# KiCad board motorgo_core_panel.kicad_pcb (continued)
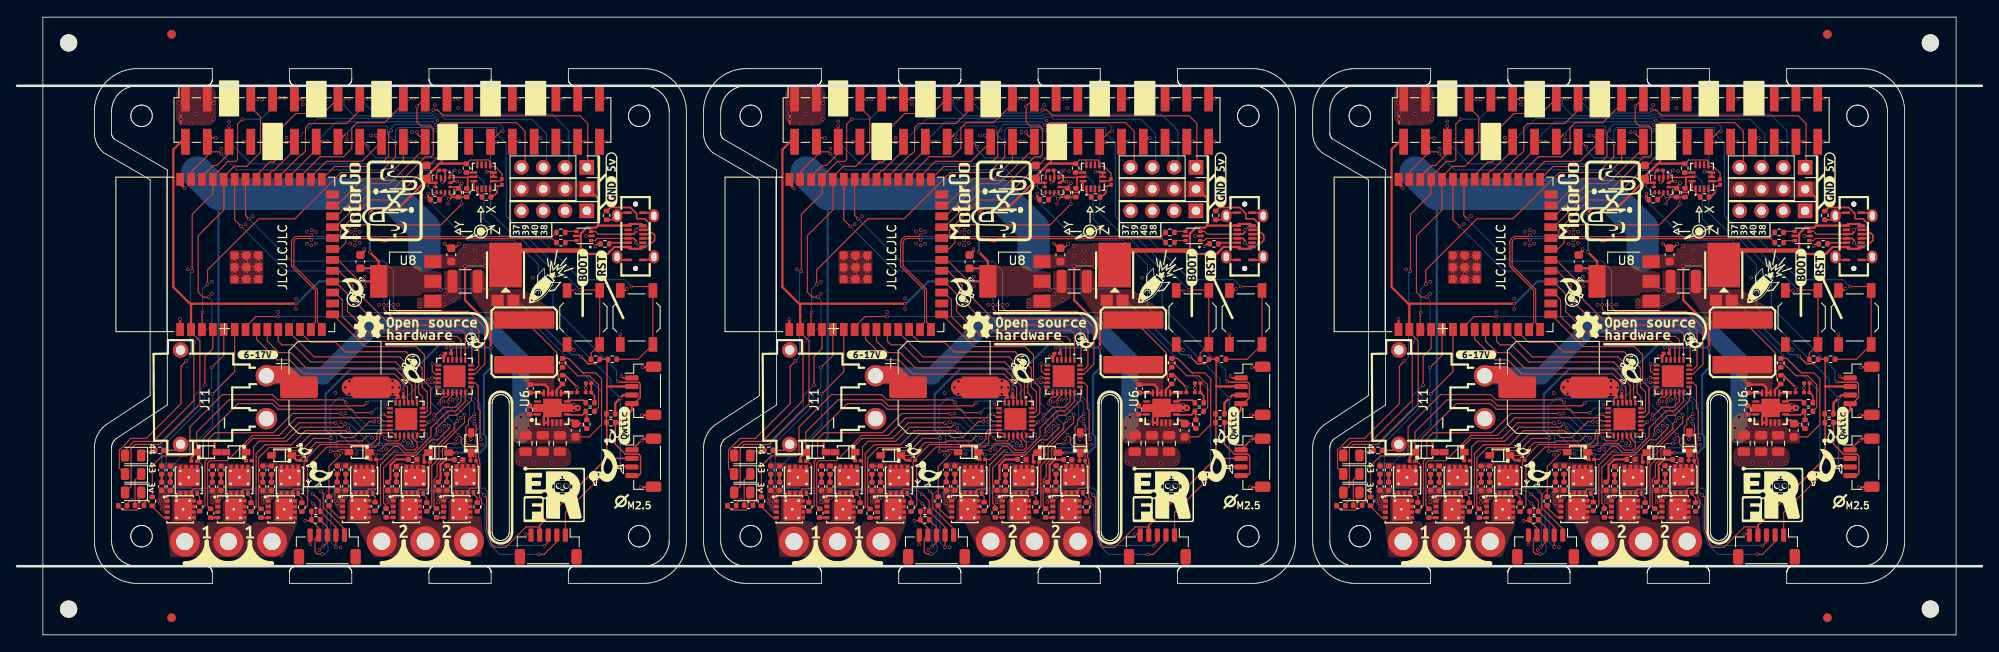
[diagram p0: board, top side]
## Routing (per net, layer and track width the routed paths; a pad name or vN(x,y) marks a point on that pad's centre or on a via; arc(x,y) is an arc through that point) (continued)
  Top w0.16: J15#2.3 142.56,19.66 v1(141.43,19.66)
  Top w0.25: R30#2.2 140.71,27.01 v1(141.3,27.6) 141.65,27.95 J13#2.3
  Bottom w0.12: v1(94.8,56.11) 94.8,56 96.6,54.2 115.3,54.2 123.5,46 128.9,46 131.75,43.15 131.75,38.25 140.2,29.8 140.2,28.7 v1(141.3,27.6) ; J7#2.3 93.63,57.93 v1(94.16,57.93)
  Bottom w0.16: v1(141.43,19.66) 141.3,19.79 v1(141.3,27.6)
Board_1-usb_d+: length 43
  Top w0.12: 106.51,35.89 106,36.41 106,40.27 103.25,43.02 103.25,45.69 arc(103.38,46.03) 103.7,46.2 105.15,46.2 arc(105.26,46.16) v1(105.3,46.05) ; v1(110.41,46) 110.59,46.18 113.28,46.18 arc(113.41,46.13) 113.46,46 arc(113.52,45.87) 113.64,45.82 114.02,45.82 arc(114.15,45.87) 114.2,46 arc(114.26,46.13) 114.38,46.18 133.41,46.18 R6#3.1
  Bottom w0.12: v1(105.3,46.05) 105.45,46.2 110.21,46.2 v1(110.41,46)
Board_1-usb_d-: length 43
  Top w0.12: v1(105.3,46.6) 105.14,46.44 103.73,46.44 arc(103.23,46.25) 102.98,45.77 102.98,42.96 105.75,40.18 105.75,36.41 105.24,35.89 ; v1(110.4,46.6) 110.58,46.42 133.37,46.42 R7#2.1
  Bottom w0.12: v1(105.3,46.6) 105.46,46.44 110.24,46.44 v1(110.4,46.6)
Board_2-+3.3V: length 223
  Top w0.12: D3#3.2 155.28,17.31 155.28,21.73 155.75,22.2 158.6,22.2 163.3,26.9 163.3,34.27 162.27,35.3 U1#3.2 ; v1(182.9,56.9) 182.31,57.49 ; v1(196.4,16.3) 196.7,16 196.7,12.3 197.3,10.5 197.6,10.2 198.93,10.2 201.31,12.58 202.9,12.58 J18#3.4 ; v1(177.54,9.42) 176.98,9.42 176.72,9.68 176.72,11.19 J16#2.4 177.15,12.45 176.29,13.31 R33#3.1 ; 192.7,51.04 192.39,51.35 U10.10 ; R50#2.2 194.81,55.35 196.95,55.35 197.13,55.17 U11#3.8 197.31,54.6 197.7,54.6 198.5,53.8 198.5,53.11 198.27,52.89 U11#3.5 ; R32#3.1 R33#3.1 ; R33#3.1 176.2,13.31 v1(175.59,13.31) ; U10.6 U10.5
  Top w0.16: v1(192.31,50.81) 192.47,50.81 192.7,51.04 193.39,51.04 ; 210.7,20.57 210.73,20.6 210.73,24.71 R31#3.1 210.69,24.75 R30#3.1 210.75,25.82 210.75,32.01 R9.1 R8#3.1 209.39,31.6 208.54,31.6 v1(207.71,32.44) ; 210.7,20.57 J15.2 ; 210.7,20.57 202.9,12.77 J18#3.4 ; 213.64,28.94 J13.2 211.91,28.95 211.9,28.94 ; R38.1 R39#2.1
  Top w0.25: 162.4,38.6 162.27,38.47 U1#3.2 ; 162.4,38.6 162.14,38.6 160.2,40.54 160.2,56.57 161.12,57.49 J4.2 ; 162.4,38.6 v1(174.5,38.6) ; J13.2 210.75,28.95 ; v1(189.8,52.5) 189.8,53.51 191.24,54.94 191.5,54.94 ; v1(183.1,44.6) 184.15,43.55 U8.2 v1(182.5,41.2) ; 191.5,54.94 v1(191.5,55.58) ; 191.5,54.94 194.34,54.94 R50#2.2 ; C25.1 184.07,42.73 184.1,42.7 ; v1(183.1,49.1) 183.1,49.22 183.58,49.7 186.43,49.7 189.43,52.7 U10.5
  Bottom w0.12: v1(182.9,56.9) 182.9,56.52 183.82,55.6 191.48,55.6 v1(191.5,55.58) ; v1(189.8,52.5) 189.8,52.34 190.6,51.54 191.59,51.54 v1(192.31,50.81) ; v1(196.4,16.3) 195.89,16.81 179.18,16.81 178.11,15.74 178.11,10.5 178.23,10.38 178.23,9.79 177.86,9.42 v1(177.54,9.42) ; v1(175.59,13.31) 175.51,13.31
  Bottom w0.16: v1(207.71,32.44) 207.49,32.66 206.63,32.66 198.96,40.33 191.56,40.33 v1(191.39,40.16)
  Bottom w0.25: v1(174.5,38.6) 174.6,38.6 177.2,41.2 v1(182.5,41.2) ; v1(183.1,44.6) v1(183.1,49.1)
Board_2-+5V: length 177.7
  Top w0.12: J4.3 164.68,62 v1(164.9,62) ; v1(178.57,22.91) 178.56,22.9 176.54,22.9 175.12,21.47 172.2,21.47 D7.2 ; C33#2.1 192.72,32.62 U4.4 ; J4.1 161.09,62 v1(160.9,62) ; v1(178.54,21.39) 178.56,21.41 179.37,21.41 179.56,21.6 180.38,21.6 D8#3.2 ; U3#2.4 187.1,27.67 C3#2.1 ; v1(194.86,22.81) 194.91,22.86 194.91,23.57
  Top w0.25: 207.7,46.5 207.7,46.77 208.4,47.47 209.47,47.47 209.71,47.71 ; 207.7,46.5 207.7,44.9 207.6,44.8 208,44.4 210.82,44.4 211,44.58 211,44.59 211.62,45.21 J1.A4 213.42,45 214.73,45 J1.B9 ; 207.7,46.5 U2#3.5 ; 161.06,59.57 v1(161.06,60.77) ; 209.71,47.71 J1.A9 213.4,47.9 214.75,47.9 J1.B4 ; 209.71,47.71 209.71,50.89 209.06,51.54 ; v1(192.6,33.5) 192.6,32.85 C33#2.1 ; C3#2.1 v1(187.02,28.39) ; v1(194.2,43) 194.2,39 197.2,36 v1(197.2,33.5) ; D6#3.2 D5.2 165.01,21.56 v1(165.01,22.54) ; v1(193.19,21.22) 192.3,21.22
  Top w0.5: 199.79,43.7 200.89,44.8 207.6,44.8
  Bottom w0.12: v1(178.57,22.91) 178.5,22.84 178.5,21.43 v1(178.54,21.39) ; 164.4,62.5 v1(164.9,62) ; v1(194.86,22.81) 194.86,23.06 195.25,23.45 196.29,23.45 196.66,23.08 ; 161.61,62.52 161.09,62 v1(160.9,62)
  Bottom w0.25: 186.3,31 180.9,31 177.95,28.05 177.95,23.94 178.57,23.32 v1(178.57,22.91) ; 186.3,31 187.02,31 v1(187.02,28.39) ; 186.3,31 188.4,31 191.38,33.98 192.25,33.98 192.52,33.7 192.52,33.42 ; 192.54,33.56 v1(192.6,33.5) v1(197.2,33.5) 197.2,31.1 196.4,30.3 196.4,23.34 196.66,23.08 196.66,21.98 195.91,21.22 v1(193.19,21.22) ; 165.5,51.4 165.47,51.37 165.47,23 v1(165.01,22.54) ; 196.66,43 v1(194.2,43)
  Bottom w3.75: 189.47,44.21 189.47,47.33 185.4,51.4 165.5,51.4 163,53.9
  vias: v1(161.1,60.1) v1(162.3,59.6) v1(162.9,63.2) v1(162.9,60.7) v1(163.6,59.6) v1(164.9,60.1) v1(194.15,45.35) v1(194.15,44.2) v1(195.35,44.8) v1(195.35,43.55) v1(196.6,45.4) v1(196.55,44.2) v1(196.55,43.05)
Board_2-+BATT: length 62.5
  Top w0.12: 207.09,23.08 208.68,23.08 210.12,24.52 210.12,29.84 209.42,30.54 207.96,30.54 206.28,32.22 R16#3.1 ; C27#2.2 C14.2
  Top w2: J11.1 171.2,30.35 173.35,30.35 C16.1
  Bottom w2: J11.1 177.7,30.2 183.59,36.09 196.6,36.09 200.7,32 v1(200.7,25.4) 200.7,23.3
  vias: v1(200.2,24.1) v1(200.2,22.7) v1(201.6,24.1)
Board_2-/connectors.enc1.cs: length 45.3
  Top w0.12: U1#3.6 167.35,30.67 v1(164.78,28.1) ; v1(177.42,16.71) 177.73,16.4 177.73,14.78 180.15,12.36 J16#2.1
  Bottom w0.12: v1(177.42,16.71) 177.03,17.1 160.2,17.1 159.94,17.36 159.94,19.56 164.78,24.4 v1(164.78,28.1)
Board_2-/connectors.enc2.cs: length 64.8
  Top w0.12: v1(172.4,37.1) 169.83,37.1 168.62,35.89 U1#3.7 ; J18#3.1 205.9,14.27 v1(210.11,18.48)
  Bottom w0.12: v1(172.4,37.1) 182.2,37.1 182.67,37.57 200.86,37.57 207.26,31.17 207.27,31.17 210.11,28.33 v1(210.11,18.48)
Board_2-/connectors.enc_scl: length 85.1
  Top w0.12: v1(179.15,10.22) J16#2.2 179.15,12.56 R32#3.2 177.31,15.62 176.55,16.38 v1(176.44,16.38) ; J18#3.2 204.9,10.85 203.43,9.38 v1(202.82,9.38) ; v1(164.67,31.16) 166.08,32.57 U1#3.5
  Bottom w0.12: v1(179.15,10.22) 178.56,10.81 178.56,15.85 179.28,16.57 195.03,16.57 196.5,15.1 196.5,12.3 197.1,10.5 198.22,9.38 v1(202.82,9.38) ; v1(164.67,31.16) 164.67,28.83 163.77,27.93 163.77,26.75 159.36,22.34 159.36,17.13 159.69,16.8 176.02,16.8 v1(176.44,16.38)
Board_2-/connectors.enc_sda: length 84.9
  Top w0.12: v1(176.5,15.3) 176.8,15 176.8,13.91 R33#3.2 178.15,12.56 J16#2.3 ; J16#2.3 178.15,11.63 ; J16#2.3 178.15,10.79 v1(177.64,10.28) ; U1#3.4 164.81,33.37 163.88,32.44 v1(163.88,29.11) ; J18#3.3 203.9,10.85 v1(203.46,10.41)
  Bottom w0.12: v1(203.46,10.41) 197.59,10.41 197.4,10.6 196.8,12.3 196.8,16.12 196.81,16.13 196.81,16.47 196.8,16.48 196.8,16.77 196.47,17.1 178.49,17.1 177.64,16.25 v1(177.64,10.28) ; v1(163.88,29.11) 162.63,27.86 162.63,26.41 158.84,22.62 158.84,16.86 159.2,16.5 175.3,16.5 v1(176.5,15.3)
Board_2-/i2c_1.scl: length 23.6
  Top w0.12: 179.25,46.25 179.69,46.69 179.69,47.21 183.18,50.7 185.9,50.7 v1(189.03,53.83) ; U10.1 192.39,53.53 v1(193,54.14)
  Top w0.16: U11#3.13 194.65,53.39 194.5,53.24 194.5,52.15 194.5,53.32 U10.1
  Bottom w0.12: v1(189.03,53.83) 189.34,54.14 v1(193,54.14)
Board_2-/i2c_1.sda: length 24.8
  Top w0.12: U1#3.21 179.58,44.98 180.3,45.7 180.3,46.96 181.14,47.8 191.4,47.8 v1(193.8,50.2) ; v1(193.82,52.66) 193.4,52.24
  Top w0.16: U10.11 193.25,52.2 ; U11#3.14 195.24,52.09 194.73,51.58 193.87,51.58 R38.2
  Bottom w0.12: v1(193.8,50.2) 193.8,50.66 193.82,50.68 v1(193.82,52.66)
Board_2-boot: length 62.9
  Top w0.12: R8#3.2 208.89,32.84 J2.2 J2.2 ; U1#3.27 179.02,54.6 182.6,54.6 183.2,55.2 184.71,55.2 185.3,55.79 185.3,58.5 v1(185.6,58.8) ; v1(207.6,40.2) 209.85,40.2 ; J4.30 198.39,58.7 v1(198.6,58.7)
  Top w0.18: v1(197.9,57.4) 197.26,57.4
  Bottom w0.12: v1(185.6,58.8) 185.6,59.05 186.05,59.5 190.13,59.5 190.63,59 191.01,59 191.61,59.6 198.2,59.6 198.6,59.2 v1(198.6,58.7) ; J7#3.29 197.18,49.22 199.3,47.1 200.7,47.1 v1(207.6,40.2)
  Bottom w0.18: v1(197.9,57.4) 197.25,57.4
Board_2-GND: length 103.9
  Top w0.12: J4.13 177.57,62.53 v1(177.6,62.5) ; C32#2.2 190.05,54.72 191.33,55.99 191.58,55.99 192.09,56.51 J4.26 ; v1(167.5,62.5) 167.47,62.53 J4.5 ; v1(210.6,57.5) 210.59,57.49 J4.40 ; v1(198,62.4) 197.3,62.4 ; v1(207,40.1) 206.95,40.15 J2.1 ; v1(208.31,46.5) 208.31,46.5 U2#3.2 ; J16#2.5 v1(176.15,10.55) ; J4.33 202.97,62.53 v1(203,62.5) ; v1(155.3,15.75) 154.81,15.26 R3#2.2 ; v1(185.2,62.5) 185.17,62.53 J4.19 ; v1(157.1,15.65) 156.76,15.31 R2#3.2 ; C3#2.2 186.1,27.47 U3#2.6 ; J18#3.5 201.79,11.73 v1(201.29,11.73) ; C33#2.2 191.72,32.62 U4.6 ; v1(172,59.2) 172,57.71 ; 206.25,33.85 v1(206.9,33.2)
  Top w0.16: v1(213.07,40.35) 212.88,40.15 J3#3.2 ; J15.1 214.75,22.67 v1(214.79,22.67) ; v1(193.2,56.15) 192.09,56.15 ; J1.3 211.46,48.39 R5#2.1 ; R1#2.2 160.35,21.5 J11.3 ; v1(193.5,45.55) 193.15,45.2 192.82,45.2 ; v1(191.82,45.61) 192.23,45.2 192.38,45.2 ; R4.1 209.68,45.58 v1(209.4,45.3) ; J3#3.2 v1(212.3,35.02) ; J13.1 212.65,29.95 v1(212.43,30.17)
  Top w0.18: U10.12 192.65,52.84 v1(193.3,52.84) ; R49.2 197.4,51.04 197.9,51.54 v1(197.9,52.04) 197.9,52.24 198,52.34 198.63,52.34 ; J1.B12 215.88,43.71 ; C18#3.2 v1(207.28,28.85) 205.87,30.26 R17#2.2 ; J1.B1 215.88,49.21 ; 191.41,53.31 191.41,52.93 v1(191.55,52.79) 191.75,52.79 191.89,52.93 U10.2 191.89,54.05 ; J1.A1 212.28,43.71 ; C1#2.2 v1(208.28,28.8) 208.26,28.78 208.26,28.25 ; U11#3.6 U11#3.7 197.43,53.98 v1(196.7,53.98) ; J1.A12 212.28,49.21
  Top w0.25: v1(214.79,22.67) 214.99,22.87 216.18,22.87 ; 203.6,25.67 U6#3.15 ; U6#3.15 203.88,25.95 203.88,24.72 203.38,24.72 203.38,25.45 203.59,25.65 ; U6#3.15 201.96,26.45 R18#3.2 ; C25.2 182.46,44.74 v1(182.46,44.95) ; C33#2.2 191.84,32.73 191.84,32.49 191.82,32.47 v1(191.36,32.47) ; 205.19,25.65 205.19,25.81 205.53,26.15 v1(206.88,26.15) ; v1(214.8,25.6) 216.12,25.6 216.18,25.65 ; v1(185.75,28.85) 186.38,28.22 C3#2.2 186.08,28.05 v1(185.76,28.05) ; v1(189.9,51.44) 189.9,51.03 R46#3.2 ; U1#3.41 U1#3.41 U1#3.41 U1#3.41 ; U1#3.41 U1#3.41 U1#3.41 ; U1#3.41 U1#3.41 U1#3.41 ; v1(214.9,31.2) 216.12,31.2 216.18,31.25 ; v1(206.3,25) 206.71,25 C17.2 207.61,24.62 v1(207.78,24.45) 207.97,24.45 R25#2.2 ; U1#3.1 v1(161,36.8) ; v1(214.7,17.2) 216.11,17.2 216.18,17.27 ; U1#3.41 U1#3.41 ; 205.19,27.25 205.19,27.09 205.47,26.81 206.85,26.81 v1(206.88,26.85) ; 161,52.6 v1(161.5,52.1)
  Top w0.75: v1(207.35,26.45) U6#3.15
  Top w2: 180.84,28.85 C16.2 v1(185.75,28.85)
  Bottom w0.12: v1(167.5,62.5) J7#3.6 ; 176.85,62.52 177.58,62.52 v1(177.6,62.5) ; 184.47,62.52 185.18,62.52 v1(185.2,62.5) ; 202.25,62.52 202.98,62.52 v1(203,62.5) ; 209.87,57.48 210.58,57.48 v1(210.6,57.5) ; v1(198,62.4) 197.9,62.5 J7#3.30 ; v1(172,59.2) 172,57.71
  Bottom w0.25: J7#3.25 192.1,57.25 v1(193.2,56.15)
  vias: v1(158.43,15.66) v1(158.85,15.31) v1(158.94,15.87) v1(158.9,14.7) v1(161.89,42.6) v1(164.68,41.14) v1(164.69,39.75) v1(164.7,16) v1(164.7,15.45) v1(165.29,16.04) v1(165.79,56.66) v1(165.85,16) v1(166.7,59.85) v1(167.3,43.5) v1(167.3,42.1) v1(168,44.2) v1(168,42.8) v1(168,41.4) v1(168.6,47.86) v1(168.7,43.5) v1(168.72,42.1) v1(169.4,44.2) v1(169.4,42.8) v1(169.4,41.4) v1(169.46,48.81) v1(170.1,43.5) v1(170.1,42.1) v1(170.55,62.4) v1(170.6,15.95) v1(170.6,15.4) v1(171.16,16.06) v1(171.75,16) v1(172.4,37.65) v1(173.15,62.6) v1(173.4,57.95) v1(174.5,39.2) v1(174.5,38) v1(175.3,61.85) v1(175.77,46.98) v1(175.78,45.61) v1(176.31,47.19) v1(176.3,45.39) v1(176.82,46.98) v1(176.8,45.61) v1(177.24,9.9) v1(178.15,57.5) v1(179.1,28.2) v1(179.15,21) v1(179.2,15.88) v1(179.3,15.33) v1(179.73,24.79) v1(179.72,16.08) v1(179.7,10.2) v1(180.25,25.83) v1(180.25,28.85) v1(180.35,16.05) v1(180.41,57.74) v1(180.6,24.1) v1(180.65,62.5) v1(180.72,29.57) v1(180.71,28.08) v1(180.84,45.6) v1(180.89,46.97) v1(181.41,47.2) v1(181.37,45.4) v1(181.54,21.1) v1(181.93,46.97) v1(181.92,45.69) v1(182.55,49.1) v1(182.5,41.75) v1(182.5,40.65) v1(183.25,58.2) v1(183.25,62.5) v1(183.34,22.97) v1(183.65,49.1) v1(184.2,38.47) v1(184.18,24.81) v1(184.91,26.85) v1(185,21.65) v1(185.12,16.05) v1(185.15,15.48) v1(185.3,38.47) v1(185.45,23.08) v1(185.7,16.08) v1(185.76,29.6) v1(186.28,16.15) v1(186.4,38.47) v1(186.54,28.83) v1(187.55,22.33) v1(188.05,58.6) v1(188.25,62.5) v1(188.45,57.5) v1(188.9,38.9) v1(188.9,38.3) v1(189.29,22.91) v1(189.88,29.75) v1(190.52,25.09) v1(190.53,22.25) v1(190.7,61.75) v1(190.84,27.97) v1(190.98,59.96) v1(191.07,15.97) v1(191.07,15.42) v1(191.25,23.75) v1(191.61,16.09) v1(191.7,27.21) v1(191.8,38.5) v1(191.8,24.38) v1(191.9,39.7) v1(192.05,33.5) v1(192.22,50.27) v1(192.22,16.1) v1(192.75,27.39) v1(192.87,39.04) v1(193.17,22.82) v1(193.35,62.5) v1(193.4,61.4) v1(193.6,54.04) v1(193.7,39.9) v1(193.69,25.29) v1(195.3,25.16) v1(196.19,22.17) v1(200.37,20.06) v1(202.12,41.64) v1(202.28,20.06) v1(204.31,20.06) v1(206.21,20.06) v1(211.88,19.66)
Board_2-gpio21: length 24.9
  Top w0.12: U1#3.23 179.09,47.52 183.23,51.66 185.51,51.66 189.58,55.72 190.24,55.72 190.5,55.98 190.5,58.95 190.15,59.3 189.1,59.3 188.6,59.8 v1(188.6,61.6) 189.53,62.53
  Bottom w0.12: v1(188.6,61.6) 189.5,62.5
Board_2-gpio35: length 11.9
  Top w0.12: 176.24,53.39 178.05,55.2 182.19,55.2 J4.20 183.8,58.16 v1(183.8,58.2)
  Bottom w0.12: v1(183.8,58.2) 183.8,58.14 J7#3.19
Board_2-gpio36: length 18.4
  Top w0.12: v1(187.7,62.5) 187.67,62.53 J4.21 ; 174.97,53.39 177.3,55.73 180.03,55.73 181,56.7 181,59.1 181.6,59.7 184.8,59.7 187.01,61.91
  Bottom w0.12: v1(187.7,62.5) J7#3.22
Board_2-gpio37: length 35.7
  Top w0.12: v1(190.8,59.45) 191.13,59.45 191.38,59.7 200.2,59.7 201.2,58.7 201.2,54.92 ; v1(177.6,57.5) 177.59,57.49 J4.14 ; 173.7,53.39 176.85,56.55
  Bottom w0.12: v1(177.6,57.5) 176.9,57.5 ; v1(190.8,59.45) 190.44,59.8 179.2,59.8 J7#3.13
Board_2-gpio38: length 49.3
  Top w0.12: U1#3.31 172.43,53.33 175.1,56 175.22,56 175.61,56.38 175.61,59.13 176.07,59.6 180.4,59.6 181.93,61.13 ; v1(182.7,62.5) 182.67,62.53 J4.17 ; v1(190.5,61.2) 191,61.2 191.7,60.5 207.6,60.5 208.51,59.59 208.51,54.61
  Bottom w0.12: v1(182.7,62.5) J7#3.18 183.62,60.82 190.24,60.82 190.5,61.08 v1(190.5,61.2)
Board_2-gpio39: length 41.5
  Top w0.12: v1(173.4,57.4) 173.49,57.49 J4.12 ; 174.31,56.51 171.9,54.1 171.72,54.1 171.16,53.54
  Bottom w0.12: 203.7,54.48 203.7,58.38 201.98,60.1 191.8,60.1 191.53,60.37 190.77,60.37 190.6,60.2 177.06,60.2 J7#3.11 ; v1(173.4,57.4) 174.26,57.4
Board_2-gpio40: length 48.6
  Top w0.12: 169.89,53.59 171.4,55.1 171.91,55.1 172.6,55.79 172.6,58.9 174.47,60.77 177.63,60.77 J4.15 180.07,62.53 v1(180.1,62.5)
  Bottom w0.12: J7#3.16 v1(180.1,62.5) 180.1,61.7 181.3,60.5 190.4,60.5 190.6,60.7 204.36,60.7 206.3,58.76 206.3,54.94
Board_2-gpio43: length 55.8
  Top w0.12: v1(161.7,31.9) 161.1,31.3 161.1,26.95 157.05,22.9 155.27,22.9 153.91,21.54 153.91,19.42 D2#3.2 ; v1(168.27,60.11) 167.69,59.53 167.69,55.41 167.47,55.19 166.61,55.19 164.81,53.39 U1#3.37 164.81,51.43 162.4,49.02 v1(162.4,42.4) ; J4.9 172.53,62.53 v1(172.6,62.6)
  Bottom w0.12: v1(162.4,42.4) 162.19,42.19 162.19,32.39 v1(161.7,31.9) ; v1(168.27,60.11) 170.38,60.11 171.78,61.51 J7#3.10 ; v1(172.6,62.6) 171.88,62.6
Board_2-gpio44: length 53.8
  Top w0.12: v1(164.3,39.36) 163.67,39.36 163.1,39.93 163.1,46.54 166.08,49.52 U1#3.36 166.08,53.39 167.31,54.62 168.75,54.62 170.36,56.23 170.36,60.37 169.23,61.5 J4.7 ; v1(162.6,34.05) 162.6,27.3 157.85,22.55 155.6,22.55 154.57,21.53 D1.2 ; 169.36,62.4 v1(170,62.4)
  Bottom w0.12: v1(170,62.4) 169.34,62.4 ; v1(164.3,39.36) 164.69,38.97 164.69,36.14 v1(162.6,34.05)
Board_2-gpio47: length 16.7
  Top w0.12: 179.21,48.79 183.02,52.6 185.4,52.6 189.55,56.75 ; J4.24 188.6,58.44 v1(188.6,58.6)
  Bottom w0.12: J7#3.23 188.6,58.42 v1(188.6,58.6)
Board_2-gpio48: length 13.8
  Top w0.12: 179.26,50.06 182.4,53.2 184.9,53.2 187.01,55.31 J4.22 ; v1(187.9,57.5) 187.03,57.5
  Bottom w0.12: v1(187.9,57.5) 187.06,57.5
Board_2-m1_uh: length 20.9
  Top w0.12: U3#2.22 189.71,25.4 190.2,25.89 190.2,28.84 189.47,29.58 189.47,32.63 188.5,33.6 182.52,33.6 U1#3.15
Board_2-m1_ul: length 21.8
  Top w0.12: U1#3.10 172.43,34.22 172.85,33.8 174.2,33.8 176.2,31.8 186.1,31.8 188.4,29.5 188.4,27.57 188.6,27.37 U3#2.1
Board_2-m1_vh: length 22.1
  Top w0.12: U1#3.12 174.97,35.3 176.17,34.1 179.1,34.1 180.2,33 187.3,33 189.2,31.1 189.2,28.9 189.8,28.3 189.8,26.11 189.59,25.9 U3#2.23
Board_2-m1_vl: length 22.4
  Top w0.12: U1#3.9 171.16,34.24 172.5,32.9 173.9,32.9 175.7,31.1 186,31.1 188,29.1 188,27.16 U3#2.2
Board_2-m1_wh: length 21.5
  Top w0.12: U1#3.11 173.7,35.3 176.6,32.4 186.6,32.4 188.8,30.2 188.8,28.2 189.26,27.74 U3#2.24
Board_2-m1_wl: length 22.9
  Top w0.12: U3#2.3 187.5,27.16 187.5,28.88 185.98,30.4 175.4,30.4 173.75,32.05 172.3,32.05 169.89,34.46 U1#3.8
Board_2-m2_uh: length 46.4
  Top w0.12: v1(169,48.51) 168.62,48.89 U1#3.34 ; v1(185.85,38.47) 185.85,38.13 186.27,37.71 194.59,37.71 196.5,35.8 196.5,31.55 195.35,30.4 194.88,30.4
  Bottom w0.12: v1(185.85,38.47) 185.85,42.45 184.75,43.55 173.96,43.55 v1(169,48.51)
Board_2-m2_ul: length 22.5
  Top w0.12: U1#3.19 179.47,42.44 181.13,40.78 181.13,39.07 184.7,35.5 193.8,35.5 194.22,35.08 U4.1
Board_2-m2_vh: length 45.2
  Top w0.12: v1(168.11,47.62) 167.35,48.38 U1#3.35 ; 194.88,30.9 195.34,30.9 195.8,31.36 195.8,35.5 194.5,36.8 185.91,36.8 184.75,37.97 v1(184.75,38.47)
  Bottom w0.12: v1(168.11,47.62) 173.32,42.41 182.84,42.41 184.75,40.51 v1(184.75,38.47)
Board_2-m2_vl: length 21.3
  Top w0.12: U4.2 193.72,34.38 193.3,34.8 183.4,34.8 180.5,37.7 180.5,39.73 179.06,41.17 178.76,41.17
Board_2-m2_wh: length 24.7
  Top w0.12: U1#3.20 179.38,43.71 182.09,41 182.09,39.51 185.5,36.1 194.4,36.1 195,35.5 195,31.52 194.88,31.4
Board_2-m2_wl: length 19.9
  Top w0.12: U1#3.17 179.05,39.9 179.9,39.05 179.9,37.1 182.8,34.2 192.8,34.2 193.22,33.77 U4.3
Board_2-Net-(C1-Pad1): length 2.5
  Top w0.18: 208.93,28.27 208.91,28.29 208.91,29.33 C1#2.1 ; C20#2.1 209.29,27.86 R19#2.2
Board_2-Net-(C5-Pad1): length 0.9
  Top w0.25: C5#3.1 158.85,17.78
Board_2-Net-(C7-Pad1): length 0.9
  Top w0.25: C7#3.1 159.85,17.78
Board_2-Net-(C10-Pad1): length 0.9
  Top w0.25: C10#2.1 C11#2.2
Board_2-Net-(C12-Pad1): length 0.9
  Top w0.25: C12#3.1 C13#3.2
Board_2-Net-(C14-Pad1): length 0.9
  Top w0.25: C14.1 C21#3.2
Board_2-Net-(C22-Pad1): length 3.4
  Top w0.25: C22#3.1 203.51,29.18 203.88,28.81 U6#3.12 U6#3.11
Board_2-Net-(C23-Pad1): length 15.7
  Top w0.12: L1.2 204.9,32.9 204.9,31.9 205.1,31.7 205.83,31.7 207.34,30.19 208.71,30.19 209.76,29.14 209.76,26.52 R24.1
Board_2-Net-(C27-Pad1): length 0.9
  Top w0.25: C27#2.1 C28#3.2
Board_2-Net-(C35-Pad1): length 0.9
  Top w0.25: C35#2.1 C36#2.2
Board_2-Net-(C37-Pad1): length 0.9
  Top w0.25: C37#3.1 C38#2.2
Board_2-Net-(C40-Pad1): length 4.5
  Top w0.25: C40#3.1 186.16,20.45 185.5,19.79 185.5,18.11 C41.2
Board_2-Net-(C42-Pad1): length 0.9
  Top w0.25: C42.1 C43#2.2
Board_2-Net-(C44-Pad1): length 4
  Top w0.25: C44#2.1 191.94,20.42 191.35,19.84 191.35,18.08 C45.2
Board_2-Net-(C47-Pad1): length 0.9
  Top w0.25: C47.1 C48.2
Board_2-Net-(D1-K): length 1.9
  Top w0.12: D1.1 156.95,21.4 157.99,21.4 R1#2.1
Board_2-Net-(D2-K): length 3.9
  Top w0.12: D2#3.1 155.74,18.04 R2#3.1
Board_2-Net-(D3-K): length 4.6
  Top w0.12: R3#2.1 154.29,14.55 155.96,14.55 156.19,14.78 156.19,16.34 D3#3.1
Board_2-Net-(D5-K): length 34.8
  Top w0.12: D5.1 162.93,23.63 166.7,27.4 171.85,27.4 172.56,26.69 182.39,26.69 v1(182.75,27.05) ; U3#2.20 189.59,24.4 v1(190.03,24.83)
  Top w0.25: C4#3.2 162.31,20.68 D5.1
  Bottom w0.12: v1(190.03,24.83) 188.37,24.83 185.94,27.26 182.96,27.26 v1(182.75,27.05)
Board_2-Net-(D6-K): length 27.7
  Top w0.12: U3#2.17 188.1,22.91 188.62,22.38 188.62,21.86 188.3,21.54 187.34,21.54 186.6,22.28 185.05,22.28 184.45,21.68 v1(184.45,21.53) ; 168.67,20.36 168.67,22.1 169.47,22.9 173.05,22.9 174.87,24.72 179.1,24.72 v1(179.12,24.7)
  Top w0.25: 168.68,21.05 168.68,20.36 168.67,20.36
  Bottom w0.12: v1(179.12,24.7) 179.7,24.12 179.7,23.37 181.54,21.53 v1(184.45,21.53)
Board_2-Net-(D7-K): length 15.8
  Top w0.12: D7.1 175.34,20.92 176.85,22.43 179.26,22.43 179.43,22.6 182.2,22.6 v1(182.9,23.3) ; v1(184.88,22.91) 185.19,22.6 186.42,22.6 186.6,22.78 U3#2.14
  Top w0.25: C26.2 174.56,20.35 D7.1
  Bottom w0.12: v1(182.9,23.3) 183.05,23.45 184.34,23.45 v1(184.88,22.91)
Board_2-Net-(D8-K): length 22.2
  Top w0.12: v1(196.08,22.82) 195.96,22.94 195.96,26.15 195.73,26.38 195.73,29.01 195.34,29.4 194.88,29.4 ; v1(183.8,21) 183.5,21.3 D8#3.1
  Top w0.25: D8#3.1 183.18,21.14 C34.2
  Bottom w0.12: v1(196.08,22.82) 195.06,21.8 191.75,21.8 190.95,21 v1(183.8,21)
Board_2-Net-(D9-K): length 12.1
  Top w0.12: 189.95,21.22 190.18,21.45 v1(190.18,21.83) ; v1(190.63,25.63) 190.81,25.63 191.72,26.54 193.07,26.54 193.72,27.19 U4.17
  Top w0.25: 189.88,21.22 189.75,21.22 189.4,20.88 189.4,20.23 C39#3.2
  Bottom w0.12: v1(190.63,25.63) 190.63,25.5 190.69,25.5 190.93,25.26 190.93,24.66 191.67,23.92 191.67,22.77 190.73,21.83 v1(190.18,21.83)
Board_2-Net-(D10-K): length 10.1
  Top w0.12: 194.8,21.23 193.77,22.26 193.77,22.98 v1(193.46,23.29) ; v1(191.21,26.96) 191.29,27.04 191.29,27.38 191.64,27.73 192.04,27.73 192.22,27.91 U4.14
  Top w0.25: 194.8,21.23 194.83,21.2 C46#3.2
  Bottom w0.12: v1(191.21,26.96) 192.22,25.95 192.22,25.29 192.9,24.61 192.9,23.85 v1(193.46,23.29)
Board_2-Net-(J1-CC1): length 2.1
  Top w0.18: 211.14,45.71 J1.A5
Board_2-Net-(J1-CC2): length 7.6
  Top w0.18: R5#2.2 211.11,49.82 213.48,49.82 214.2,49.1 214.2,48.6 214.3,48.5 215.15,48.5 215.7,47.95 215.7,47.4 215.51,47.21 J1.B5
Board_2-Net-(J1-DN1): length 9.5
  Top w0.12: 213.2,46.7 209.72,46.7 209.39,47.04 U2#3.3
  Top w0.18: v1(214.1,47.2) 214.1,46.93 213.88,46.71 J1.A7 ; J1.B7 215.66,46.21 215.84,46.38
  Bottom w0.18: v1(214.1,47.2) 214.4,47.5 215.5,47.5 215.84,47.16 215.84,46.35 v1(215.81,46.32)
Board_2-Net-(J1-DP1): length 10.4
  Top w0.12: U2#3.1 209.36,45.96 209.61,46.21 J1.A6
  Top w0.18: J1.A6 213.88,46.21 214.1,45.98 v1(214.1,45.7) ; 215.75,45.7 216,45.7 216.3,46 216.3,46.57 216.03,46.84 215.64,46.84 215.51,46.71 J1.B6
  Bottom w0.18: v1(214.1,45.7) 214.4,45.4 215.45,45.4 215.75,45.7 v1(215.78,45.7)
Board_2-Net-(Q1-G): length 1.1
  Top w0.12: R15#3.2 163.26,16.1 162.97,16.39
Board_2-Net-(Q2-G): length 2.4
  Top w0.12: 157.75,15.06 157.75,14.95 159.04,13.66 Q2.4
Board_2-Net-(Q3-G): length 1.2
  Top w0.12: 168.88,16.38 169.26,16 169.26,15.43 169.3,15.39
Board_2-Net-(Q4-G): length 0.8
  Top w0.12: 165.37,13.67 Q4.4
  Top w0.25: R12#3.1 165.37,13.67
Board_2-Net-(Q5-G): length 1.2
  Top w0.12: 174.75,16.38 175.18,15.95 R11#3.2
Board_2-Net-(Q6-G): length 0.8
  Top w0.16: Q6#2.4 170.44,13.66
Board_2-Net-(Q7-G): length 1.1
  Top w0.12: 183.43,16.41 183.71,16.12 R27#2.2
Board_2-Net-(Q8-G): length 2.3
  Top w0.12: Q8#3.4 179.5,13.69 178.35,14.83 R26#3.1
Board_2-Net-(Q9-G): length 1.2
  Top w0.12: R23.2 189.75,15.98 189.32,16.41
Board_2-Net-(Q10-G): length 0.8
  Top w0.12: Q10#2.4 185.81,13.7 R22#3.1
Board_2-Net-(Q11-G): length 1.2
  Top w0.12: R21.2 195.63,15.98 195.21,16.41
Board_2-Net-(Q12-G): length 0.8
  Top w0.16: Q12#3.4 190.9,13.68
Board_2-Net-(R6-Pad2): length 1.4
  Top w0.12: R6.2 206.13,45.96 U2#3.6
Board_2-Net-(R7-Pad2): length 1.2
  Top w0.12: U2#3.4 206.01,47.04
Board_2-Net-(U3-HO1): length 38.4
  Top w0.12: U3#2.19 189.65,23.51 v1(189.65,23.33) ; v1(179.7,25.8) 174.12,25.8 171.88,23.56 165.06,23.56 164.3,22.8 164.3,20.65 163.9,20.25 163.9,15.06 R15#3.1
  Bottom w0.12: v1(179.7,25.8) 180.1,25.4 180.9,25.4 182.4,23.9 187.3,23.9 188.7,22.5 189.53,22.5 189.78,22.75 189.78,23.19 v1(189.65,23.33)
Board_2-Net-(U3-HO2): length 28.6
  Top w0.12: v1(188.05,22.05) 188.05,22.53 187.6,22.98 U3#2.16 ; v1(180.85,23.61) 180.51,23.61 180.32,23.8 175.6,23.8 173.96,22.16 170.89,22.16 169.85,21.12 169.85,14.92 169.3,14.37
  Bottom w0.12: v1(180.85,23.61) 180.85,23.42 182.19,22.08 187.23,22.08 187.38,21.92 187.92,21.92 v1(188.05,22.05)
Board_2-Net-(U3-HO3): length 18
  Top w0.12: R11#3.1 175.85,15.04 175.85,19.63 178.12,21.9 183.78,21.9 184.24,22.36 184.24,23.23 184.56,23.55 185.79,23.55 U3#2.13
Board_2-Net-(U3-LO1): length 38.2
  Top w0.12: U3#2.11 185.43,24.39 v1(184.8,24.39) ; v1(180.3,27.1) 180.01,27.39 172.36,27.39 171.75,28 165.9,28 162.13,24.23 162.13,21.18 161.8,20.85 158.9,20.85 157.75,19.7 R14#2.2
  Bottom w0.12: v1(180.3,27.1) 180.3,26.8 182.71,24.39 v1(184.8,24.39)
Board_2-Net-(U3-LO2): length 29.1
  Top w0.12: U3#2.10 184.7,24.9 184.3,25.3 174.57,25.3 172.51,23.24 169.43,23.24 166.49,20.3 164.5,20.3 164.2,20 164.2,15.04 R12#3.2
Board_2-Net-(U3-LO3): length 24
  Top w0.12: v1(184.7,25.7) 184.81,25.7 185.11,25.4 U3#2.9 ; v1(183.63,24.85) 183.05,24.85 181.2,23 179.9,23 179.5,23.4 176.21,23.4 174.64,21.83 171.36,21.83 170.14,20.61 170.14,14.98 R10#2.2
  Bottom w0.12: v1(183.63,24.85) 183.63,25.03 184.3,25.7 v1(184.7,25.7)
Board_2-Net-(U3-VS1): length 37.6
  Top w0.12: v1(188.93,23.33) 188.69,23.33 U3#2.18 ; 162.32,16.39 162.32,16.81 162.54,17.03 163.47,17.03 163.6,17.15 163.6,19.75 163.1,20.25 C4#3.1 163.15,20.25 163.7,20.8 163.7,22.9 167.75,26.95 171.75,26.95 172.4,26.3 181,26.3 181.4,25.9 v1(183.3,25.9)
  Bottom w0.12: v1(183.3,25.9) 183.84,26.44 185.56,26.44 188.67,23.33 v1(188.93,23.33)
